# Altium PCB ROBOT1.PcbDoc (part 7 of 7)
Units mm, origin at the board's own origin, x right, y up, seen from the top; angles counter-clockwise.
Board outline 99.4 x 99.07 mm, 2 copper layers (Top Layer, Bottom Layer); 31 components, 29 nets, 151 pads, 0 vias.
Unrouted connection lines stored in the file: 3.
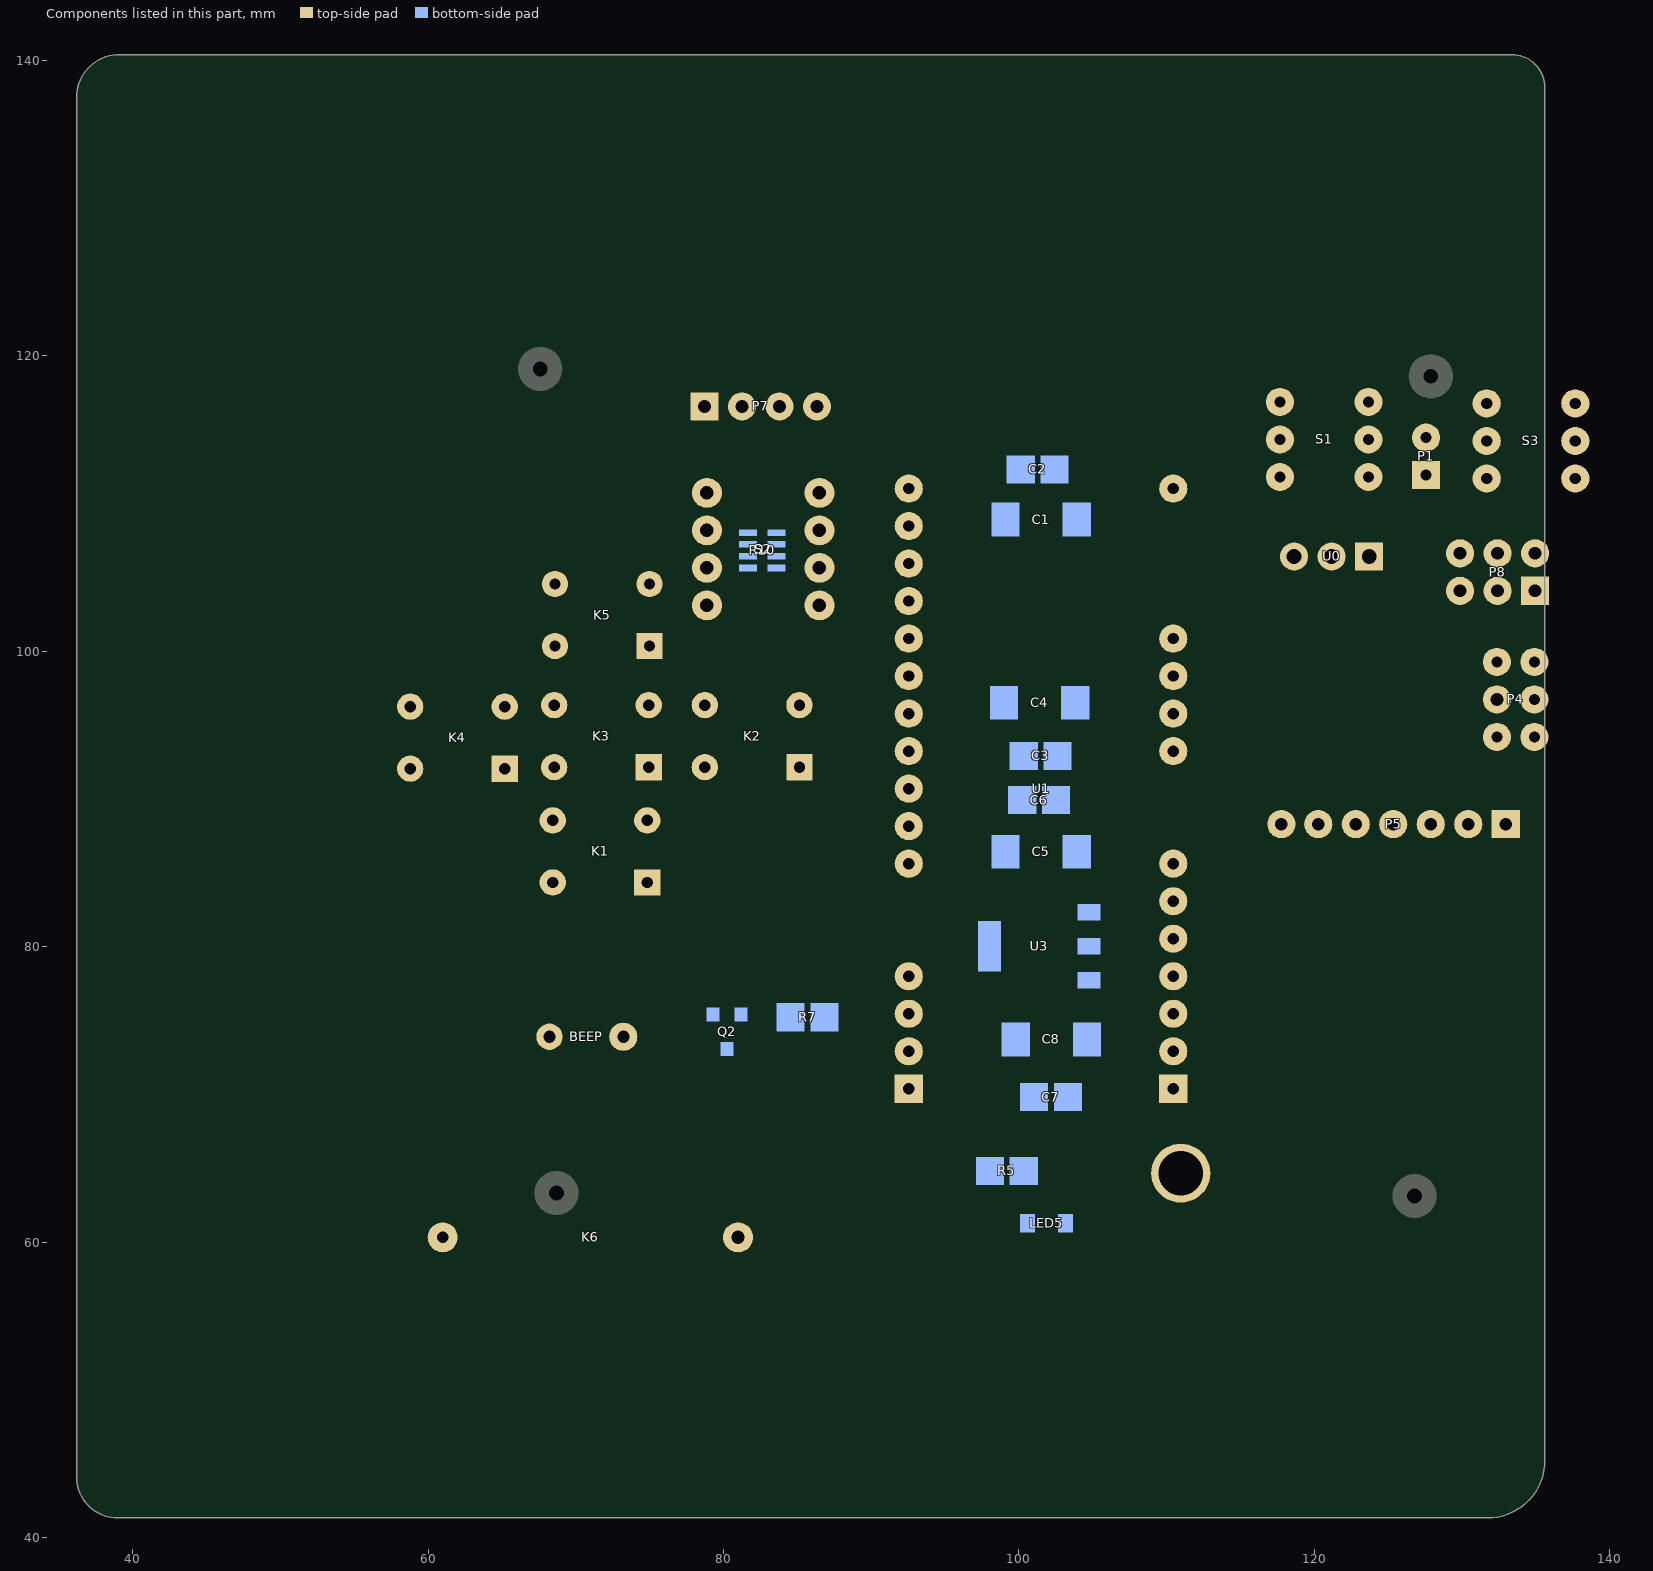
[diagram p7: the components of this part, seen from the top]

## Nets (pads, with @x,y where several pads share a name; then routed paths per layer and width w, separated by ;. In a path a pad name is that pad's centre, name@x,y a point inside that pad or via, vN(x,y) a via of type N, cw(c..) or ccw(c..) an arc to the next point about the centre after c; other vN are vias at no path point) (continued)
copper on no net: (continued)
  Bottom Layer w0.01: 64.16,115.245 64.24,115.245 ; 64.16,115.674 64.24,115.674 ; 64.16,115.684 64.24,115.684 ; 64.16,115.694 64.25,115.694 ; 64.16,115.704 64.24,115.704 ; 64.16,115.714 64.24,115.714 ; 64.16,116.473 64.24,116.473 ; 64.16,116.862 64.24,116.862 ; 64.16,116.872 64.25,116.872 ; 64.17,114.576 64.26,114.576 ; 64.17,114.586 64.26,114.586 ; 64.17,115.225 64.26,115.225 ; 64.17,116.453 64.25,116.453 ; 64.17,116.463 64.25,116.463 ; 64.17,116.882 64.25,116.882 ; 64.17,116.892 64.26,116.892 ; 64.18,114.566 64.27,114.566 ; 64.18,115.205 64.27,115.205 ; 64.18,115.215 64.26,115.215 ; 64.18,116.443 64.26,116.443 ; 64.18,116.902 64.27,116.902 ; 64.19,114.546 64.28,114.546 ; 64.19,114.556 64.28,114.556 ; 64.19,115.185 64.28,115.185 ; 64.19,115.195 64.27,115.195 ; 64.19,116.423 64.359,116.423 ; 64.19,116.433 64.27,116.433 ; 64.19,116.912 64.27,116.912 ; 64.19,116.922 64.28,116.922 ; 64.2,114.527 64.29,114.527 ; 64.2,114.537 64.29,114.537 ; 64.2,115.175 64.28,115.175 ; 64.2,116.393 64.339,116.393 ; 64.2,116.403 64.349,116.403 ; 64.2,116.413 64.349,116.413 ; 64.2,116.932 64.28,116.932 ; 64.2,116.942 64.29,116.942 ; 64.21,114.517 64.3,114.517 ; 64.21,115.155 64.379,115.155 ; 64.21,115.165 64.29,115.165 ; 64.21,116.383 64.339,116.383 ; 64.21,116.952 64.3,116.952 ; 64.21,116.962 64.3,116.962 ; 64.22,114.497 64.31,114.497 ; 64.22,114.507 64.31,114.507 ; 64.22,115.135 64.369,115.135 ; 64.22,115.145 64.379,115.145 ; 64.22,116.363 64.32,116.363 ; 64.22,116.373 64.329,116.373 ; 64.22,116.972 64.31,116.972 ; 64.23,114.487 64.32,114.487 ; 64.23,115.125 64.359,115.125 ; 64.23,116.353 64.32,116.353 ; 64.23,116.982 64.32,116.982 ; 64.23,116.992 64.32,116.992 ; 64.24,114.467 64.329,114.467 ; 64.24,114.477 64.329,114.477 ; 64.24,115.105 64.349,115.105 ; 64.24,115.115 64.359,115.115 ; 64.24,116.333 64.32,116.333 ; 64.24,116.343 64.32,116.343 ; 64.24,117.002 64.329,117.002 ; 64.25,114.447 64.339,114.447 ; 64.25,114.457 64.339,114.457 ; 64.25,115.086 64.349,115.086 ; 64.25,115.096 64.349,115.096 ; 64.25,116.313 64.329,116.313 ; 64.25,116.323 64.329,116.323 ; 64.25,117.012 64.329,117.012 ; 64.25,117.022 64.339,117.022 ; 64.26,114.437 64.349,114.437 ; 64.26,115.076 64.349,115.076 ; 64.26,116.293 64.349,116.293 ; 64.26,116.303 64.339,116.303 ; 64.26,117.032 64.339,117.032 ; 64.27,114.417 64.359,114.417 ; 64.27,114.427 64.349,114.427 ; 64.27,115.056 64.359,115.056 ; 64.27,115.066 64.359,115.066 ; 64.27,116.283 64.349,116.283 ; 64.27,117.042 64.349,117.042 ; 64.27,117.052 64.359,117.052 ; 64.28,114.397 64.379,114.397 ; 64.28,114.407 64.369,114.407 ; 64.28,115.036 64.369,115.036 ; 64.28,115.046 64.369,115.046 ; 64.28,116.263 64.359,116.263 ; 64.28,116.273 64.359,116.273 ; 64.28,116.433 64.369,116.433 ; 64.28,116.443 64.369,116.443 ; 64.28,117.062 64.359,117.062 ; 64.28,117.072 64.369,117.072 ; 64.29,114.387 64.379,114.387 ; 64.29,115.026 64.379,115.026 ; 64.29,116.253 64.369,116.253 ; 64.29,116.453 64.379,116.453 ; 64.29,117.082 64.379,117.082 ; 64.29,117.092 64.379,117.092 ; 64.3,114.367 64.389,114.367 ; 64.3,114.377 64.389,114.377 ; 64.3,115.006 64.389,115.006 ; 64.3,115.016 64.379,115.016 ; 64.3,116.233 64.379,116.233 ; 64.3,116.243 64.369,116.243 ; 64.3,116.463 64.379,116.463 ; 64.3,116.473 64.389,116.473 ; 64.3,117.102 64.389,117.102 ; 64.31,114.347 64.399,114.347 ; 64.31,114.357 64.399,114.357 ; 64.31,114.996 64.399,114.996 ; 64.31,115.165 64.389,115.165 ; 64.31,115.175 64.389,115.175 ; 64.31,116.214 64.389,116.214 ; 64.31,116.224 64.379,116.224 ; 64.31,116.483 64.399,116.483 ; 64.31,117.112 64.389,117.112 ; 64.31,117.122 64.399,117.122 ; 64.32,114.337 64.409,114.337 ; 64.32,114.976 64.409,114.976 ; 64.32,114.986 64.399,114.986 ; 64.32,115.185 64.399,115.185 ; 64.32,115.195 64.399,115.195 ; 64.32,116.194 64.399,116.194 ; 64.32,116.204 64.389,116.204 ; 64.32,116.493 64.399,116.493 ; 64.32,116.503 64.409,116.503 ; 64.32,117.132 64.399,117.132 ; 64.329,114.317 64.419,114.317 ; 64.329,114.327 64.419,114.327 ; 64.329,114.956 64.419,114.956 ; 64.329,114.966 64.419,114.966 ; 64.329,115.205 64.409,115.205 ; 64.329,116.174 64.409,116.174 ; 64.329,116.184 64.399,116.184 ; 64.329,116.513 64.409,116.513 ; 64.329,117.142 64.409,117.142 ; 64.329,117.152 64.419,117.152 ; 64.339,114.307 64.429,114.307 ; 64.339,114.936 64.429,114.936 ; 64.339,114.946 64.429,114.946 ; 64.339,115.215 64.419,115.215 ; 64.339,115.225 64.419,115.225 ; 64.339,116.164 64.419,116.164 ; 64.339,116.523 64.419,116.523 ; 64.339,116.533 64.429,116.533 ; 64.339,117.162 64.429,117.162 ; 64.349,114.287 64.439,114.287 ; 64.349,114.297 64.439,114.297 ; 64.349,114.916 64.439,114.916 ; 64.349,114.926 64.439,114.926 ; 64.349,115.235 64.429,115.235 ; 64.349,115.245 64.429,115.245 ; 64.349,116.144 64.429,116.144 ; 64.349,116.154 64.419,116.154 ; 64.349,116.543 64.429,116.543 ; 64.349,116.553 64.439,116.553 ; 64.349,117.172 64.429,117.172 ; 64.349,117.182 64.439,117.182 ; 64.359,114.267 64.459,114.267 ; 64.359,114.277 64.449,114.277 ; 64.359,114.906 64.449,114.906 ; 64.359,115.255 64.439,115.255 ; 64.359,115.265 64.439,115.265 ; 64.359,116.124 64.439,116.124 ; 64.359,116.134 64.439,116.134 ; 64.359,116.563 64.439,116.563 ; 64.359,117.192 64.439,117.192 ; 64.359,117.202 64.449,117.202 ; 64.369,114.257 64.459,114.257 ; 64.369,114.886 64.459,114.886 ; 64.369,114.896 64.459,114.896 ; 64.369,115.275 64.449,115.275 ; 64.369,116.114 64.449,116.114 ; 64.369,116.573 64.449,116.573 ; 64.369,116.583 64.459,116.583 ; 64.369,117.212 64.459,117.212 ; 64.369,117.222 64.459,117.222 ; 64.379,114.237 64.469,114.237 ; 64.379,114.247 64.469,114.247 ; 64.379,114.866 64.469,114.866 ; 64.379,114.876 64.469,114.876 ; 64.379,115.285 64.459,115.285 ; 64.379,115.295 64.459,115.295 ; 64.379,116.094 64.459,116.094 ; 64.379,116.104 64.459,116.104 ; 64.379,116.593 64.469,116.593 ; 64.379,117.232 64.469,117.232 ; 64.389,114.217 64.479,114.217 ; 64.389,114.227 64.479,114.227 ; 64.389,114.856 64.479,114.856 ; 64.389,115.305 64.469,115.305 ; 64.389,115.315 64.469,115.315 ; 64.389,116.064 64.479,116.064 ; 64.389,116.074 64.469,116.074 ; 64.389,116.084 64.469,116.084 ; 64.389,116.603 64.469,116.603 ; 64.389,116.613 64.479,116.613 ; 64.389,117.242 64.469,117.242 ; 64.389,117.252 64.479,117.252 ; 64.399,114.197 64.499,114.197 ; 64.399,114.207 64.489,114.207 ; 64.399,114.846 64.489,114.846 ; 64.399,115.325 64.479,115.325 ; 64.399,115.335 64.479,115.335 ; 64.399,116.054 64.479,116.054 ; 64.399,116.623 64.479,116.623 ; 64.399,116.633 64.489,116.633 ; 64.399,117.262 64.489,117.262 ; 64.409,114.187 64.499,114.187 ; 64.409,114.826 64.499,114.826 ; 64.409,114.836 64.499,114.836 ; 64.409,115.345 64.489,115.345 ; 64.409,116.034 64.499,116.034 ; 64.409,116.044 64.489,116.044 ; 64.409,116.643 64.499,116.643 ; 64.409,117.272 64.489,117.272 ; 64.409,117.282 64.499,117.282 ; 64.419,114.177 64.509,114.177 ; 64.419,114.806 64.509,114.806 ; 64.419,114.816 64.509,114.816 ; 64.419,115.355 64.499,115.355 ; 64.419,115.365 64.499,115.365 ; 64.419,116.024 64.499,116.024 ; 64.419,116.653 64.499,116.653 ; 64.419,116.663 64.509,116.663 ; 64.419,117.292 64.499,117.292 ; 64.429,114.157 64.519,114.157 ; 64.429,114.167 64.509,114.167 ; 64.429,114.796 64.519,114.796 ; 64.429,115.375 64.509,115.375 ; 64.429,115.385 64.509,115.385 ; 64.429,116.004 64.509,116.004 ; 64.429,116.014 64.509,116.014 ; 64.429,116.673 64.509,116.673 ; 64.429,116.683 64.519,116.683 ; 64.429,117.302 64.509,117.302 ; 64.429,117.312 64.519,117.312 ; 64.439,114.137 64.529,114.137 ; 64.439,114.147 64.529,114.147 ; 64.439,114.776 64.529,114.776 ; 64.439,114.786 64.529,114.786 ; 64.439,115.395 64.519,115.395 ; 64.439,115.984 64.519,115.984 ; 64.439,115.994 64.519,115.994 ; 64.439,116.693 64.529,116.693 ; 64.439,117.322 64.519,117.322 ; 64.439,117.332 64.529,117.332 ; 64.449,114.127 64.539,114.127 ; 64.449,114.766 64.539,114.766 ; 64.449,115.405 64.529,115.405 ; 64.449,115.415 64.529,115.415 ; 64.449,115.974 64.529,115.974 ; 64.449,116.703 64.529,116.703 ; 64.449,116.713 64.539,116.713 ; 64.449,117.342 64.539,117.342 ; 64.459,114.107 64.549,114.107 ; 64.459,114.117 64.549,114.117 ; 64.459,114.746 64.549,114.746 ; 64.459,114.756 64.539,114.756 ; 64.459,115.425 64.539,115.425 ; 64.459,115.435 64.539,115.435 ; 64.459,115.944 64.549,115.944 ; 64.459,115.954 64.539,115.954 ; 64.459,115.964 64.539,115.964 ; 64.459,116.723 64.539,116.723 ; 64.459,117.351 64.539,117.351 ; 64.459,117.361 64.549,117.361 ; 64.469,114.097 64.559,114.097 ; 64.469,114.726 64.559,114.726 ; 64.469,114.736 64.559,114.736 ; 64.469,115.445 64.549,115.445 ; 64.469,115.455 64.549,115.455 ; 64.469,115.934 64.549,115.934 ; 64.469,116.733 64.549,116.733 ; 64.469,116.743 64.559,116.743 ; 64.469,117.371 64.549,117.371 ; 64.469,117.381 64.559,117.381 ; 64.479,114.077 64.569,114.077 ; 64.479,114.087 64.559,114.087 ; 64.479,114.706 64.579,114.706 ; 64.479,114.716 64.569,114.716 ; 64.479,115.465 64.559,115.465 ; 64.479,115.475 64.559,115.475 ; 64.479,115.914 64.559,115.914 ; 64.479,115.924 64.559,115.924 ; 64.479,116.753 64.559,116.753 ; 64.479,116.763 64.569,116.763 ; 64.479,117.391 64.559,117.391 ; 64.489,114.067 64.579,114.067 ; 64.489,114.696 64.579,114.696 ; 64.489,115.485 64.569,115.485 ; 64.489,115.894 64.579,115.894 ; 64.489,115.904 64.569,115.904 ; 64.489,116.773 64.569,116.773 ; 64.489,117.401 64.569,117.401 ; 64.489,117.411 64.579,117.411 ; 64.499,114.037 64.589,114.037 ; 64.499,114.047 64.589,114.047 ; 64.499,114.057 64.579,114.057 ; 64.499,114.676 64.589,114.676 ; 64.499,114.686 64.589,114.686 ; 64.499,115.495 64.579,115.495 ; 64.499,115.505 64.579,115.505 ; 64.499,115.884 64.579,115.884 ; 64.499,116.783 64.579,116.783 ; 64.499,116.792 64.589,116.792 ; 64.499,117.421 64.589,117.421 ; 64.499,117.431 64.589,117.431 ; 64.509,114.027 64.599,114.027 ; 64.509,114.666 64.599,114.666 ; 64.509,115.515 64.589,115.515 ; 64.509,115.525 64.589,115.525 ; 64.509,115.864 64.589,115.864 ; 64.509,115.874 64.589,115.874 ; 64.509,116.802 64.589,116.802 ; 64.509,117.441 64.599,117.441 ; 64.519,114.017 64.609,114.017 ; 64.519,114.646 64.609,114.646 ; 64.519,114.656 64.599,114.656 ; 64.519,115.535 64.599,115.535 ; 64.519,115.844 64.599,115.844 ; 64.519,115.854 64.599,115.854 ; 64.519,116.812 64.599,116.812 ; 64.519,116.822 64.599,116.822 ; 64.519,117.451 64.599,117.451 ; 64.519,117.461 64.609,117.461 ; 64.529,113.997 64.619,113.997 ; 64.529,114.007 64.609,114.007 ; 64.529,114.636 64.619,114.636 ; 64.529,115.545 64.609,115.545 ; 64.529,115.555 64.609,115.555 ; 64.529,115.834 64.609,115.834 ; 64.529,116.832 64.609,116.832 ; 64.529,117.471 64.619,117.471 ; 64.539,113.978 64.629,113.978 ; 64.539,113.987 64.629,113.987 ; 64.539,114.616 64.629,114.616 ; 64.539,114.626 64.619,114.626 ; 64.539,115.565 64.619,115.565 ; 64.539,115.575 64.629,115.575 ; 64.539,115.804 64.629,115.804 ; 64.539,115.814 64.619,115.814 ; 64.539,115.824 64.619,115.824 ; 64.539,116.842 64.619,116.842 ; 64.539,116.852 64.619,116.852 ; 64.539,117.481 64.619,117.481 ; 64.539,117.491 64.629,117.491 ; 64.549,113.968 64.639,113.968 ; 64.549,114.596 64.639,114.596 ; 64.549,114.606 64.639,114.606 ; 64.549,115.585 64.629,115.585 ; 64.549,115.794 64.629,115.794 ; 64.549,116.862 64.629,116.862 ; 64.549,116.872 64.629,116.872 ; 64.549,117.501 64.629,117.501 ; 64.549,117.511 64.639,117.511 ; 64.559,113.948 64.649,113.948 ; 64.559,113.958 64.639,113.958 ; 64.559,114.576 64.659,114.576 ; 64.559,114.586 64.649,114.586 ; 64.559,115.595 64.639,115.595 ; 64.559,115.605 64.639,115.605 ; 64.559,115.774 64.639,115.774 ; 64.559,115.784 64.639,115.784 ; 64.559,116.882 64.639,116.882 ; 64.559,116.892 64.649,116.892 ; 64.559,117.521 64.649,117.521 ; 64.569,113.938 64.659,113.938 ; 64.569,114.566 64.659,114.566 ; 64.569,115.615 64.639,115.615 ; 64.569,115.625 64.649,115.625 ; 64.569,115.764 64.649,115.764 ; 64.569,116.902 64.659,116.902 ; 64.569,117.531 64.649,117.531 ; 64.569,117.541 64.659,117.541 ; 64.579,113.918 64.669,113.918 ; 64.579,113.928 64.659,113.928 ; 64.579,114.546 64.669,114.546 ; 64.579,114.556 64.669,114.556 ; 64.579,115.635 64.659,115.635 ; 64.579,115.645 64.669,115.645 ; 64.579,115.744 64.659,115.744 ; 64.579,115.754 64.659,115.754 ; 64.579,116.912 64.659,116.912 ; 64.579,117.551 64.659,117.551 ; 64.579,117.561 64.669,117.561 ; 64.589,113.898 64.679,113.898 ; 64.589,113.908 64.679,113.908 ; 64.589,114.537 64.679,114.537 ; 64.589,115.655 64.679,115.655 ; 64.589,115.665 64.679,115.665 ; 64.589,115.734 64.669,115.734 ; 64.589,116.922 64.669,116.922 ; 64.589,116.932 64.669,116.932 ; 64.589,117.571 64.679,117.571 ; 64.599,113.878 64.689,113.878 ; 64.599,113.888 64.689,113.888 ; 64.599,114.517 64.689,114.517 ; 64.599,114.527 64.689,114.527 ; 64.599,115.674 64.679,115.674 ; 64.599,115.684 64.679,115.684 ; 64.599,115.694 64.679,115.694 ; 64.599,115.704 64.679,115.704 ; 64.599,115.714 64.679,115.714 ; 64.599,115.724 64.669,115.724 ; 64.599,116.942 64.679,116.942 ; 64.599,117.581 64.679,117.581 ; 64.599,117.591 64.689,117.591 ; 64.609,113.868 64.699,113.868 ; 64.609,114.507 64.699,114.507 ; 64.609,116.952 64.689,116.952 ; 64.609,116.962 64.689,116.962 ; 64.609,117.601 64.699,117.601 ; 64.619,113.848 64.709,113.848 ; 64.619,113.858 64.699,113.858 ; 64.619,114.487 64.709,114.487 ; 64.619,114.497 64.699,114.497 ; 64.619,116.972 64.699,116.972 ; 64.619,117.611 64.699,117.611 ; 64.619,117.621 64.709,117.621 ; 64.629,113.838 64.719,113.838 ; 64.629,114.467 64.719,114.467 ; 64.629,114.477 64.719,114.477 ; 64.629,116.982 64.699,116.982 ; 64.629,116.992 64.709,116.992 ; 64.629,117.631 64.719,117.631 ; 64.639,113.818 64.729,113.818 ; 64.639,113.828 64.719,113.828 ; 64.639,114.457 64.729,114.457 ; 64.639,117.002 64.709,117.002 ; 64.639,117.012 64.719,117.012 ; 64.639,117.641 64.719,117.641 ; 64.639,117.651 64.729,117.651 ; 64.649,113.808 64.739,113.808 ; 64.649,114.437 64.739,114.437 ; 64.649,114.447 64.739,114.447 ; 64.649,117.022 64.719,117.022 ; 64.649,117.661 64.729,117.661 ; 64.649,117.671 64.739,117.671 ; 64.659,113.788 64.749,113.788 ; 64.659,113.798 64.739,113.798 ; 64.659,114.417 64.749,114.417 ; 64.659,114.427 64.749,114.427 ; 64.659,117.032 64.729,117.032 ; 64.659,117.042 64.729,117.042 ; 64.659,117.681 64.739,117.681 ; 64.669,113.768 64.759,113.768 ; 64.669,113.778 64.749,113.778 ; 64.669,114.407 64.759,114.407 ; 64.669,117.052 64.739,117.052 ; 64.669,117.062 64.749,117.062 ; 64.669,117.691 64.749,117.691 ; 64.669,117.701 64.759,117.701 ; 64.679,113.548 64.779,113.548 ; 64.679,113.748 64.769,113.748 ; 64.679,113.758 64.769,113.758 ; 64.679,114.387 64.769,114.387 ; 64.679,114.397 64.769,114.397 ; 64.679,117.072 64.749,117.072 ; 64.679,117.082 64.759,117.082 ; 64.679,117.711 64.759,117.711 ; 64.679,117.721 64.769,117.721 ; 64.689,113.738 64.779,113.738 ; 64.689,114.377 64.779,114.377 ; 64.689,117.092 64.769,117.092 ; 64.689,117.102 64.769,117.102 ; 64.689,117.731 64.779,117.731 ; 64.699,113.718 64.789,113.718 ; 64.699,113.728 64.789,113.728 ; 64.699,114.357 64.789,114.357 ; 64.699,114.367 64.779,114.367 ; 64.699,117.112 64.779,117.112 ; 64.699,117.741 64.779,117.741 ; 64.699,117.751 64.789,117.751 ; 64.709,113.708 64.799,113.708 ; 64.709,114.337 64.799,114.337 ; 64.709,114.347 64.799,114.347 ; 64.709,117.122 64.789,117.122 ; 64.709,117.132 64.789,117.132 ; 64.709,117.761 64.789,117.761 ; 64.709,117.771 64.799,117.771 ; 64.719,113.688 64.809,113.688 ; 64.719,113.698 64.799,113.698 ; 64.719,114.327 64.809,114.327 ; 64.719,117.142 64.799,117.142 ; 64.719,117.781 64.809,117.781 ; 64.729,113.668 64.819,113.668 ; 64.729,113.678 64.819,113.678 ; 64.729,114.317 64.819,114.317 ; 64.729,117.152 64.799,117.152 ; 64.729,117.162 64.809,117.162 ; 64.729,117.791 64.809,117.791 ; 64.729,117.801 64.819,117.801 ; 64.739,113.648 64.829,113.648 ; 64.739,113.658 64.829,113.658 ; 64.739,114.287 64.829,114.287 ; 64.739,114.297 64.829,114.297 ; 64.739,114.307 64.819,114.307 ; 64.739,117.172 64.819,117.172 ; 64.739,117.182 64.819,117.182 ; 64.739,117.811 64.819,117.811 ; 64.739,117.821 64.829,117.821 ; 64.749,113.638 64.839,113.638 ; 64.749,114.277 64.839,114.277 ; 64.749,117.192 64.829,117.192 ; 64.749,117.202 64.839,117.202 ; 64.749,117.831 64.839,117.831 ; 64.759,113.618 64.849,113.618 ; 64.759,113.628 64.839,113.628 ; 64.759,114.257 64.849,114.257 ; 64.759,114.267 64.849,114.267 ; 64.759,117.212 64.839,117.212 ; 64.759,117.841 64.839,117.841 ; 64.759,117.851 64.849,117.851 ; 64.759,118.03 64.958,118.03 ; 64.769,113.608 64.859,113.608 ; 64.769,114.237 64.859,114.237 ; 64.769,114.247 64.859,114.247 ; 64.769,117.222 64.849,117.222 ; 64.769,117.232 64.859,117.232 ; 64.769,117.861 64.859,117.861 ; 64.779,113.588 64.869,113.588 ; 64.779,113.598 64.869,113.598 ; 64.779,114.227 64.869,114.227 ; 64.779,117.242 64.859,117.242 ; 64.779,117.252 64.869,117.252 ; 64.779,117.871 64.859,117.871 ; 64.779,117.881 64.869,117.881 ; 64.789,113.548 64.888,113.548 ; 64.789,113.578 64.879,113.578 ; 64.789,114.207 64.879,114.207 ; 64.789,114.217 64.879,114.217 ; 64.789,117.262 64.869,117.262 ; 64.789,117.891 64.879,117.891 ; 64.789,117.901 64.879,117.901 ; 64.799,113.558 64.888,113.558 ; 64.799,113.568 64.879,113.568 ; 64.799,114.197 64.888,114.197 ; 64.799,117.272 64.879,117.272 ; 64.799,117.282 64.888,117.282 ; 64.799,117.91 64.888,117.91 ; 64.809,114.177 64.898,114.177 ; 64.809,114.187 64.898,114.187 ; 64.809,117.292 64.888,117.292 ; 64.809,117.302 64.898,117.302 ; 64.809,117.92 64.888,117.92 ; 64.809,117.93 64.898,117.93 ; 64.819,114.167 64.908,114.167 ; 64.819,117.312 64.898,117.312 ; 64.819,117.94 64.898,117.94 ; 64.829,114.147 64.918,114.147 ; 64.829,114.157 64.908,114.157 ; 64.829,117.322 64.908,117.322 ; 64.829,117.95 64.908,117.95 ; 64.829,117.96 64.918,117.96 ; 64.839,114.127 64.928,114.127 ; 64.839,114.137 64.928,114.137 ; 64.839,117.332 64.918,117.332 ; 64.839,117.342 64.918,117.342 ; 64.839,117.97 64.918,117.97 ; 64.839,117.98 64.928,117.98 ; 64.849,114.117 64.938,114.117 ; 64.849,117.351 64.928,117.351 ; 64.849,117.361 64.938,117.361 ; 64.849,117.99 64.938,117.99 ; 64.859,114.097 64.948,114.097 ; 64.859,114.107 64.938,114.107 ; 64.859,117.371 64.938,117.371 ; 64.859,117.381 64.948,117.381 ; 64.859,118 64.938,118 ; 64.859,118.01 64.948,118.01 ; 64.869,114.077 64.968,114.077 ; 64.869,114.087 64.958,114.087 ; 64.869,117.391 64.948,117.391 ; 64.869,118.02 64.958,118.02 ; 64.879,114.067 64.968,114.067 ; 64.879,117.401 64.958,117.401 ; 64.879,117.411 64.968,117.411 ; 64.888,114.047 64.978,114.047 ; 64.888,114.057 64.978,114.057 ; 64.888,117.421 64.968,117.421 ; 64.898,114.027 64.988,114.027 ; 64.898,114.037 64.978,114.037 ; 64.898,117.431 64.978,117.431 ; 64.898,117.441 64.988,117.441 ; 64.908,114.017 64.998,114.017 ; 64.908,117.451 64.988,117.451 ; 64.908,117.461 64.998,117.461 ; 64.918,114.007 65.008,114.007 ; 64.918,117.471 64.998,117.471 ; 64.928,113.987 65.018,113.987 ; 64.928,113.997 65.008,113.997 ; 64.928,117.481 65.008,117.481 ; 64.928,117.491 65.018,117.491 ; 64.938,113.968 65.028,113.968 ; 64.938,113.978 65.018,113.978 ; 64.938,117.501 65.018,117.501 ; 64.938,117.511 65.028,117.511 ; 64.948,113.948 65.038,113.948 ; 64.948,113.958 65.038,113.958 ; 64.948,117.521 65.028,117.521 ; 64.958,113.938 65.048,113.938 ; 64.958,117.531 65.038,117.531 ; 64.958,117.541 65.048,117.541 ; 64.968,113.918 65.058,113.918 ; 64.968,113.928 65.058,113.928 ; 64.968,117.551 65.048,117.551 ; 64.978,113.898 65.068,113.898 ; 64.978,113.908 65.068,113.908 ; 64.978,117.561 65.058,117.561 ; 64.978,117.571 65.068,117.571 ; 64.988,113.888 65.078,113.888 ; 64.988,117.581 65.068,117.581 ; 64.998,113.868 65.088,113.868 ; 64.998,113.878 65.088,113.878 ; 64.998,117.591 65.078,117.591 ; 64.998,117.601 65.088,117.601 ; 65.008,113.858 65.098,113.858 ; 65.008,117.611 65.088,117.611 ; 65.008,117.621 65.098,117.621 ; 65.018,113.838 65.108,113.838 ; 65.018,113.848 65.098,113.848 ; 65.018,117.631 65.108,117.631 ; 65.018,117.641 65.108,117.641 ; 65.028,113.818 65.118,113.818 ; 65.028,113.828 65.108,113.828 ; 65.028,117.651 65.118,117.651 ; 65.038,113.808 65.128,113.808 ; 65.038,117.661 65.128,117.661 ; 65.048,113.788 65.138,113.788 ; 65.048,113.798 65.128,113.798 ; 65.048,117.671 65.128,117.671 ; 65.048,117.681 65.138,117.681 ; 65.058,113.778 65.148,113.778 ; 65.058,117.691 65.138,117.691 ; 65.058,117.701 65.148,117.701 ; 65.068,113.758 65.158,113.758 ; 65.068,113.768 65.158,113.768 ; 65.068,117.711 65.148,117.711 ; 65.068,117.721 65.158,117.721 ; 65.078,113.748 65.168,113.748 ; 65.078,117.731 65.168,117.731 ; 65.088,113.728 65.178,113.728 ; 65.088,113.738 65.168,113.738 ; 65.088,117.741 65.168,117.741 ; 65.088,117.751 65.178,117.751 ; 65.098,113.708 65.188,113.708 ; 65.098,113.718 65.178,113.718 ; 65.098,117.761 65.188,117.761 ; 65.108,113.688 65.198,113.688 ; 65.108,113.698 65.188,113.698 ; 65.108,117.771 65.188,117.771 ; 65.108,117.781 65.198,117.781 ; 65.118,113.678 65.208,113.678 ; 65.118,117.791 65.198,117.791 ; 65.128,113.658 65.218,113.658 ; 65.128,113.668 65.218,113.668 ; 65.128,117.801 65.208,117.801 ; 65.128,117.811 65.218,117.811 ; 65.138,113.648 65.228,113.648 ; 65.138,117.821 65.218,117.821 ; 65.138,117.831 65.228,117.831 ; 65.148,113.628 65.238,113.628 ; 65.148,113.638 65.228,113.638 ; 65.148,117.841 65.228,117.841 ; 65.158,113.618 65.248,113.618 ; 65.158,117.851 65.238,117.851 ; 65.158,117.861 65.248,117.861 ; 65.168,113.598 65.258,113.598 ; 65.168,113.608 65.248,113.608 ; 65.168,117.871 65.248,117.871 ; 65.168,117.881 65.258,117.881 ; 65.178,113.578 65.268,113.578 ; 65.178,113.588 65.258,113.588 ; 65.178,117.891 65.258,117.891 ; 65.188,113.558 65.278,113.558 ; 65.188,113.568 65.268,113.568 ; 65.188,117.901 65.268,117.901 ; 65.188,117.91 65.278,117.91 ; 65.198,113.548 65.288,113.548 ; 65.198,117.92 65.288,117.92 ; 65.208,113.528 65.298,113.528 ; 65.208,113.538 65.288,113.538 ; 65.208,117.93 65.288,117.93 ; 65.208,117.94 65.298,117.94 ; 65.218,113.518 65.308,113.518 ; 65.218,117.95 65.298,117.95 ; 65.218,117.96 65.308,117.96 ; 65.228,113.498 65.318,113.498 ; 65.228,113.508 65.308,113.508 ; 65.228,117.97 65.308,117.97 ; 65.228,117.98 65.318,117.98 ; 65.238,113.488 65.318,113.488 ; 65.238,117.99 65.328,117.99 ; 65.248,113.468 65.338,113.468 ; 65.248,113.478 65.328,113.478 ; 65.248,118 65.328,118 ; 65.248,118.01 65.338,118.01 ; 65.258,113.448 65.348,113.448 ; 65.258,113.458 65.338,113.458 ; 65.258,118.02 65.348,118.02 ; 65.268,113.428 65.358,113.428 ; 65.268,113.438 65.358,113.438 ; 65.268,118.03 65.348,118.03 ; 65.268,118.04 65.358,118.04 ; 65.278,113.419 65.368,113.419 ; 65.278,118.05 65.358,118.05 ; 65.278,118.06 65.368,118.06 ; 65.288,113.399 65.378,113.399 ; 65.288,113.409 65.368,113.409 ; 65.288,118.07 65.378,118.07 ; 65.288,118.08 65.378,118.08 ; 65.298,113.389 65.388,113.389 ; 65.298,118.09 65.388,118.09 ; 65.308,113.369 65.398,113.369 ; 65.308,113.379 65.388,113.379 ; 65.308,118.1 65.388,118.1 ; 65.308,118.11 65.398,118.11 ; 65.318,113.359 65.408,113.359 ; 65.318,118.12 65.408,118.12 ; 65.328,113.329 65.428,113.329 ; 65.328,113.339 65.418,113.339 ; 65.328,113.349 65.408,113.349 ; 65.328,118.13 65.408,118.13 ; 65.328,118.14 65.418,118.14 ; 65.338,113.319 65.428,113.319 ; 65.338,118.15 65.428,118.15 ; 65.348,113.299 65.438,113.299 ; 65.348,113.309 65.438,113.309 ; 65.348,118.16 65.428,118.16 ; 65.348,118.17 65.438,118.17 ; 65.358,118.18 65.438,118.18 ; 65.358,118.19 65.447,118.19 ; 65.368,118.2 65.457,118.2 ; 65.368,118.21 65.457,118.21 ; 65.378,118.22 65.467,118.22 ; 65.388,118.23 65.477,118.23 ; 65.388,118.24 65.477,118.24 ; 65.398,118.25 65.487,118.25 ; 65.408,118.26 65.487,118.26 ; 65.418,118.27 65.497,118.27 ; 65.418,118.28 65.507,118.28
  Bottom Layer w0.762: 112.166,114.649 115.265,110.414 113.665,110.642
  Bottom Layer w0.787: 115.265,110.414 115.57,112.039

## Keep-outs
Keep-Out Layer:
  lines w0.254: 55.589,60.958 ccw(c59.528,60.958) 59.528,57.019 135.989,57.019 ccw(c135.989,61.419) 140.389,61.419 140.389,119.196 ccw(c136.867,119.196) 136.867,122.719 59.189,122.719 ccw(c59.189,119.119) 55.589,119.119 55.589,60.958

## Other copper
Bottom Layer:
  text "L7805" at 106.477,115.468 h3.81
  text "RX" at 83.109,114.376 h1.27
  text "TX" at 85.877,114.3 h1.27
  text "GND" at 131.623,108.306 h1
  text "拨码开关" at 76.835,106.705 h2.03 r90
  text "5.0V" at 109.525,106.401 h1
  text "集大电协" at 61.798,106.274 h5 r36.93
  text "3.3V" at 130.531,101.879 h1
  text "5.0V" at 134.214,101.879 h1
  text "5.0V" at 100.203,101.117 h1 r270
  text "舵机" at 126.543,98.374 h2.54 r270
  text "5.0V" at 128.753,96.342 h1
  text "GND" at 129.083,93.853 h1
  text "3.3V" at 128.88,91.897 h1
  text "蜂鸣器" at 63.754,76.911 h2.54 r270
  text "1K" at 84.48,72.136 h2.54
  text "S8050" at 77.089,70.053 h2.54
  text "JMU ETA" at 120.802,65.38 h5 r357.74
  text "200R" at 91.796,64.135 h2.54
  text "BLUE_LED" at 89.129,61.011 h2.54
  text "干簧管" at 67.97,59.919 h2.54

## Text inside footprints (layer, text, board x,y; h text height)
S1: Top Overlay "GY" at 121.423,116.301 h1.4 r180
S2: Top Overlay "1" at 87.261,112.888 h1.27 r90
S3: Top Overlay "GY" at 135.423,116.199 h1.4 r180